# Altium PCB Fri3D_2018_01.PcbDoc (part 1 of 3)
Units mm, origin at the board's own origin, x right, y up, seen from the top; angles counter-clockwise.
Board outline 119.76 x 104.41 mm, 2 copper layers (Top Layer, Bottom Layer), stack 1.571 mm thick; 170 components, 102 nets, 573 pads, 233 vias.
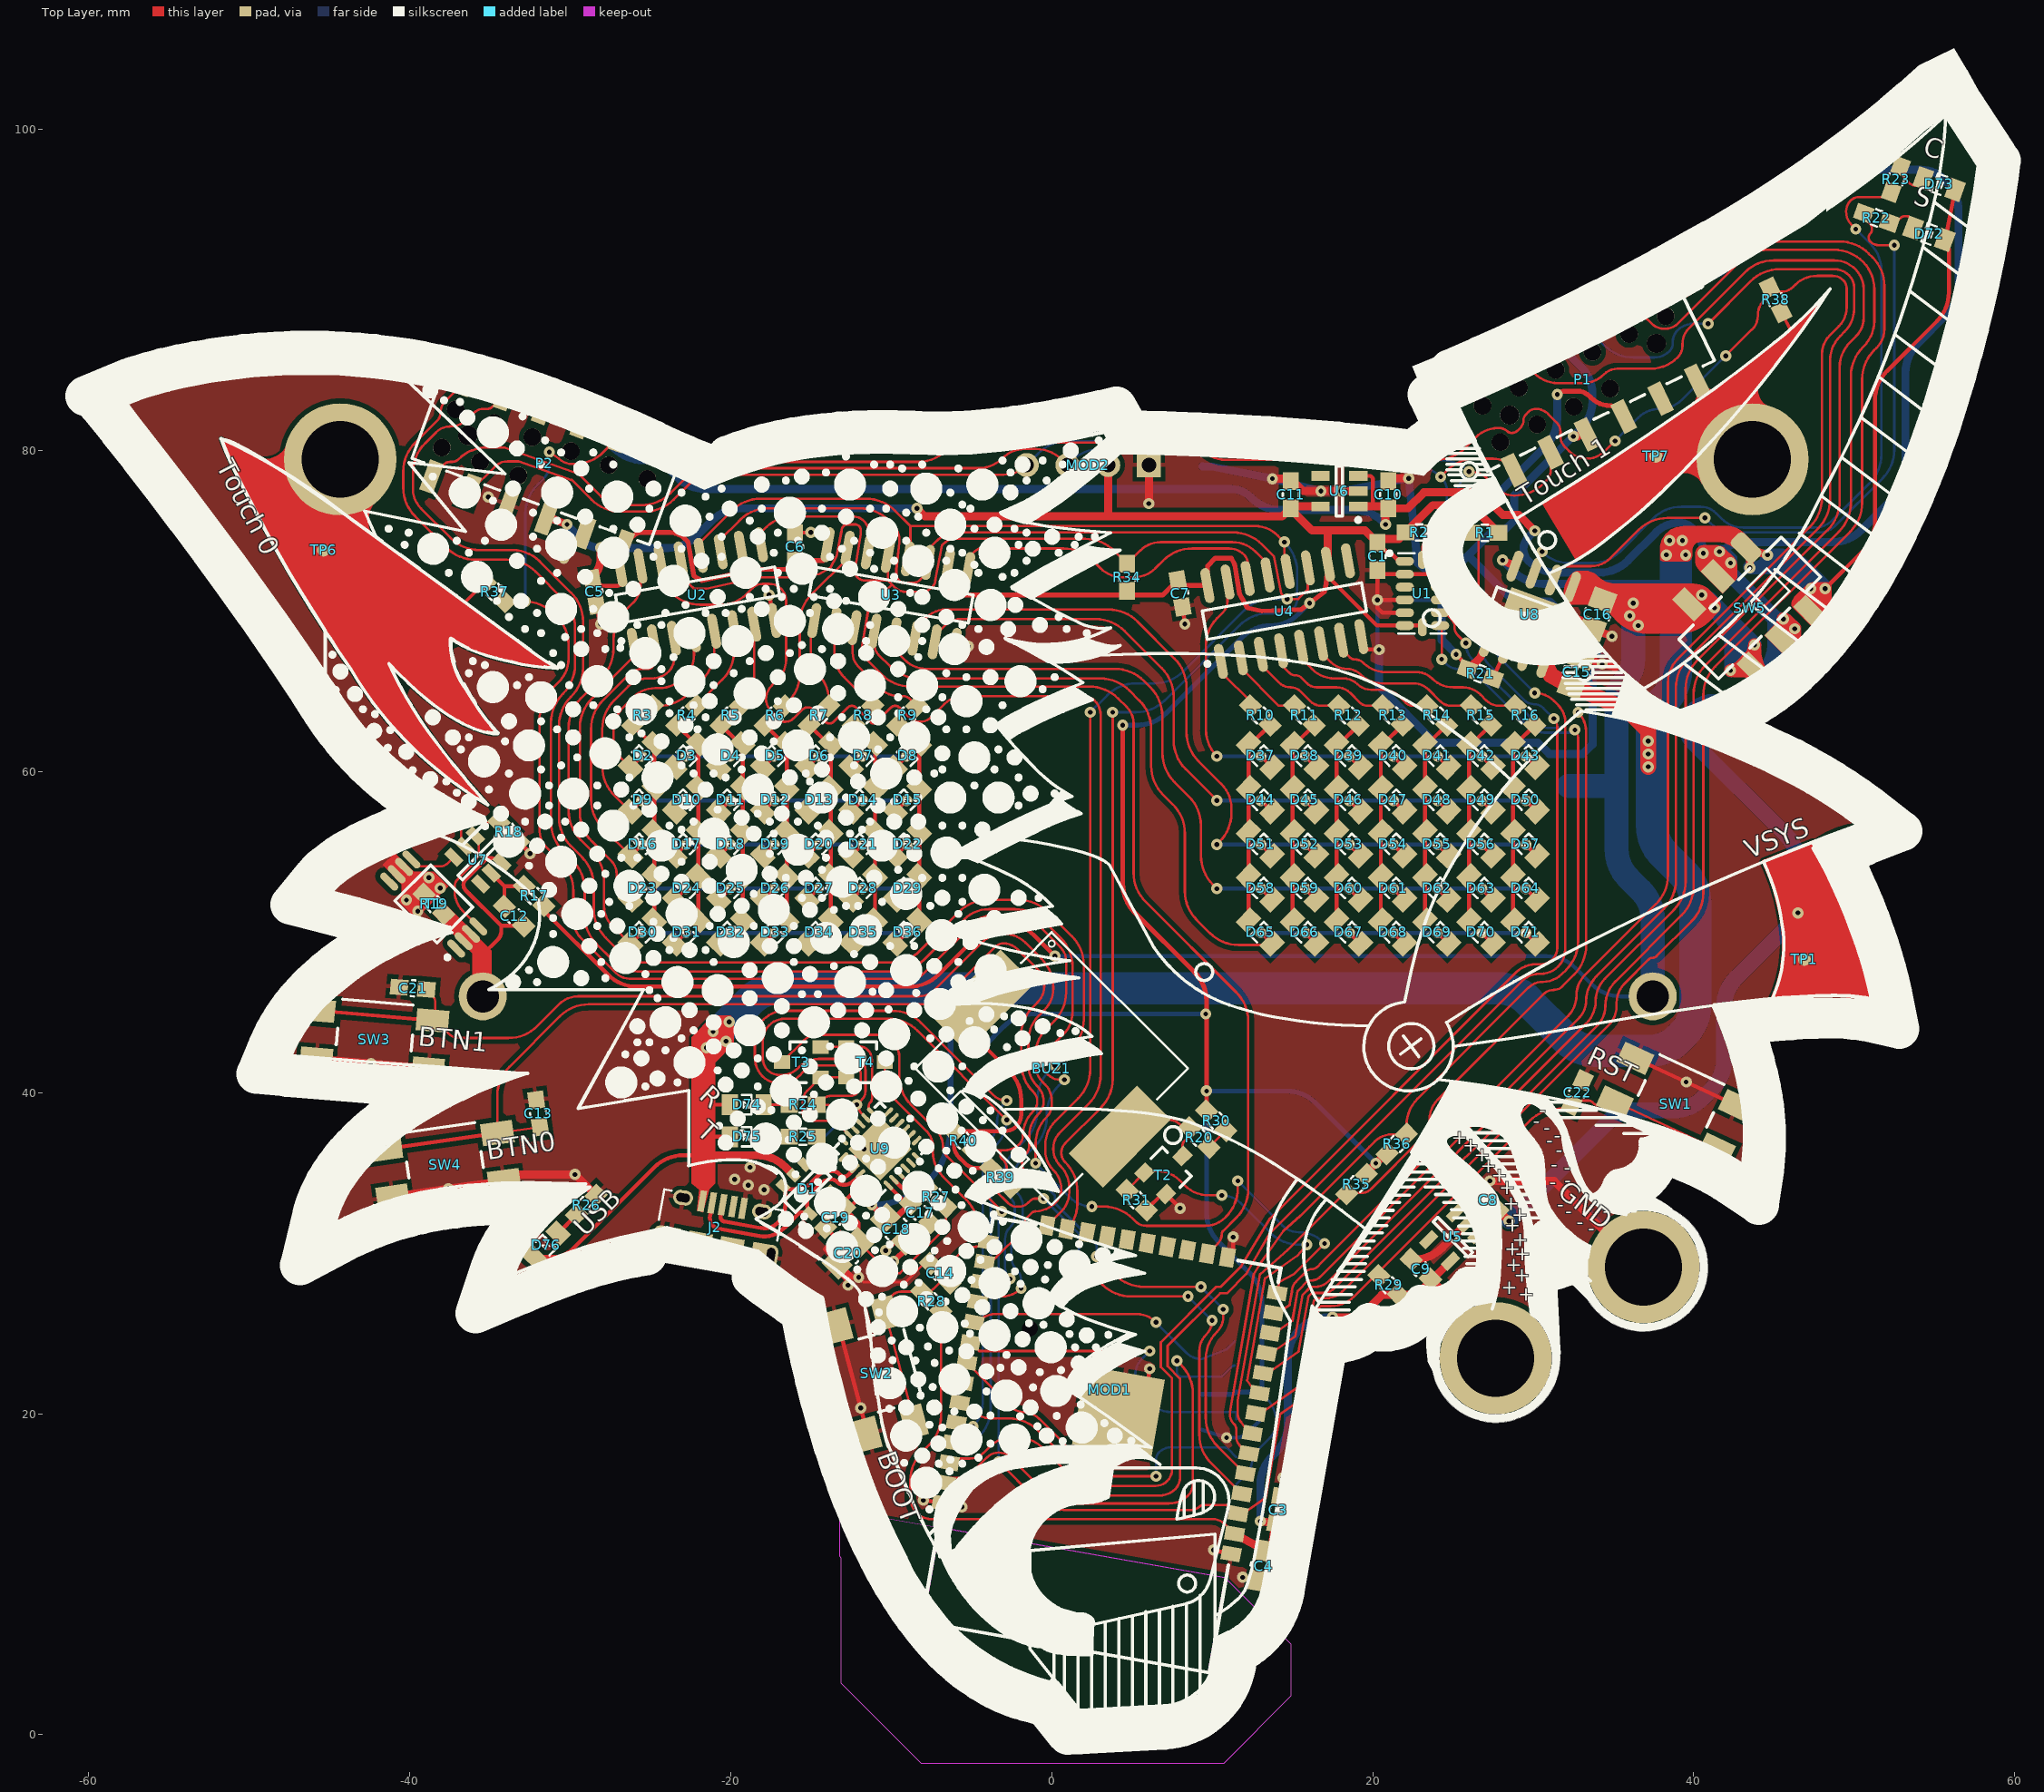
[diagram p0: Top Layer view]
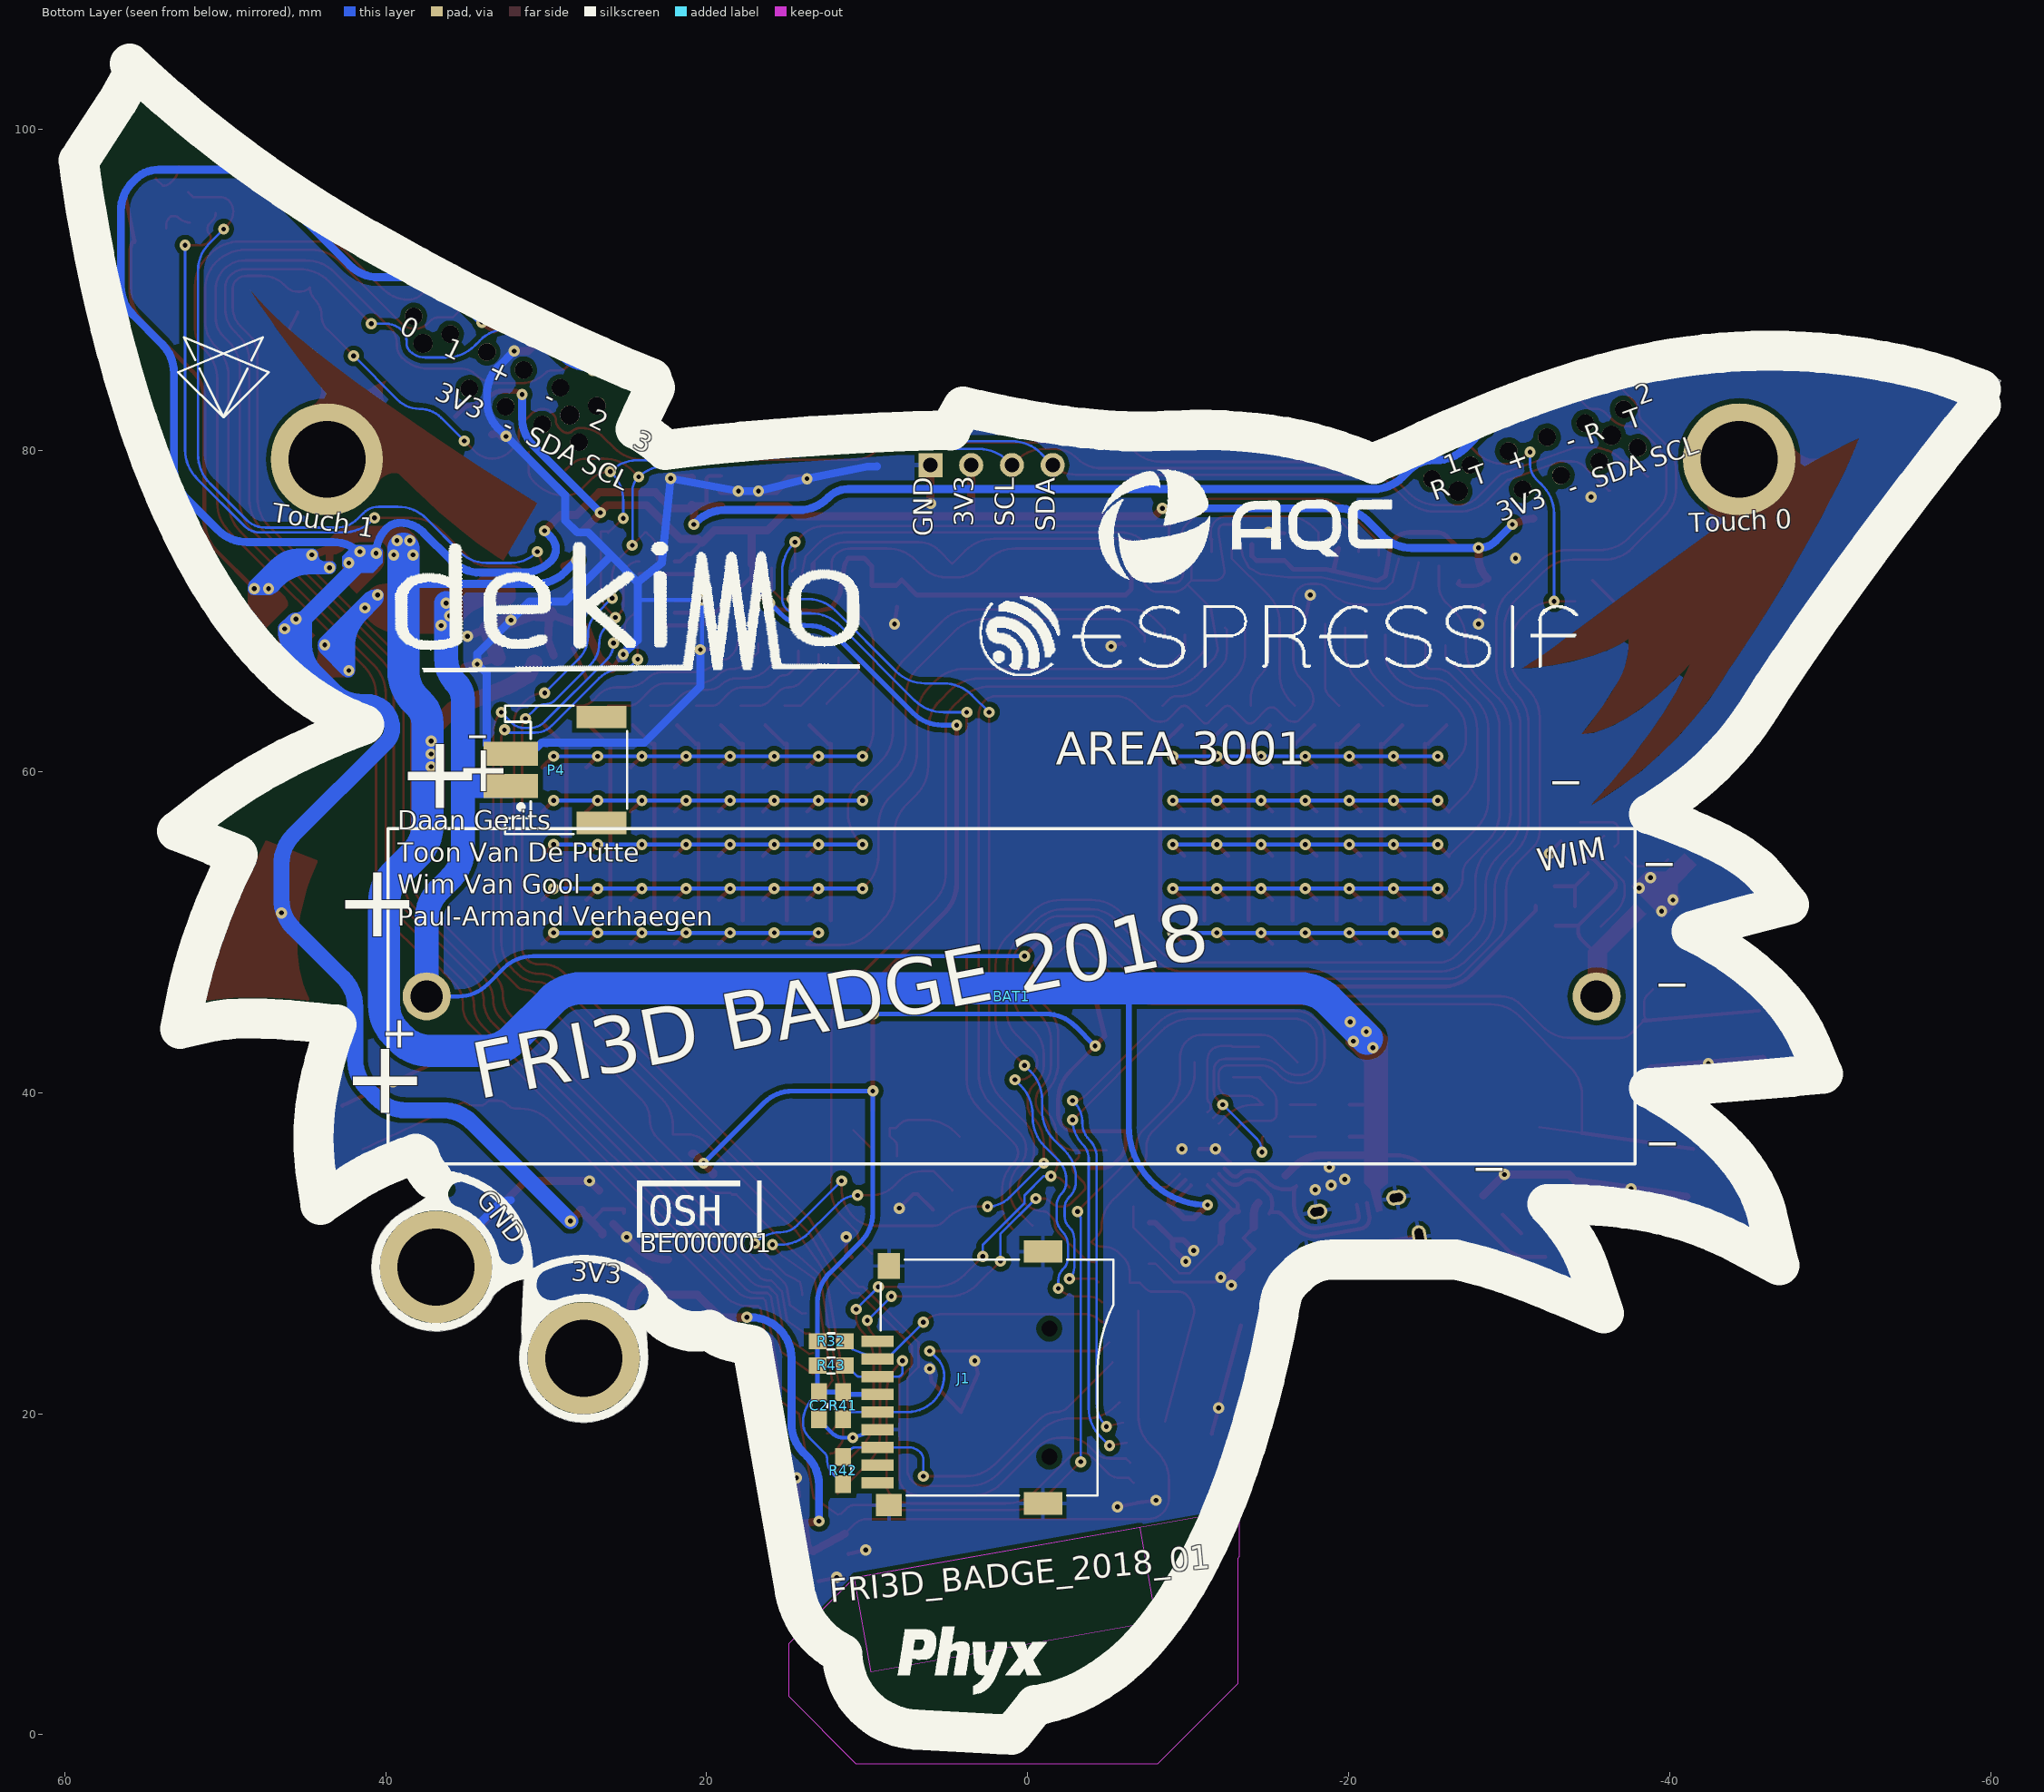
[diagram p1: Bottom Layer view, seen from below]
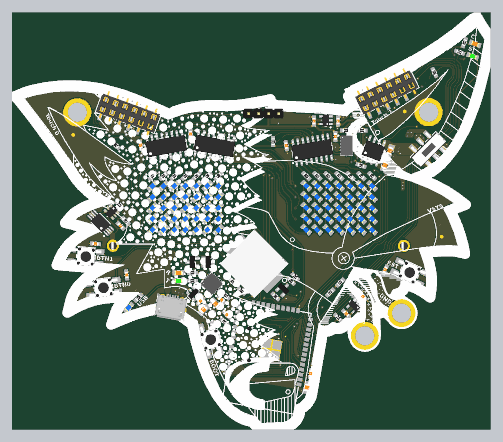
[diagram p4: 3D render of the assembled board from above, using the file's embedded part models]
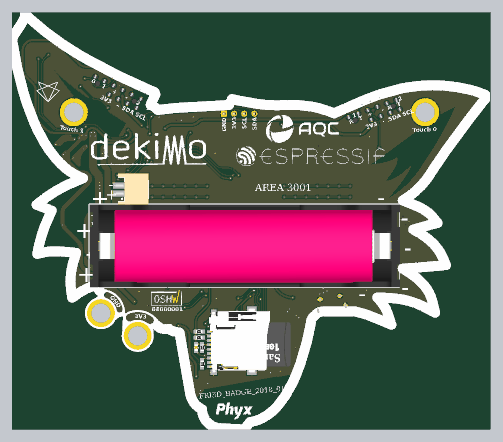
[diagram p5: 3D render of the assembled board from below, using the file's embedded part models]

## Layer stack, top to bottom
Top Solder: solder mask 0.0102, Solder Resist, Dk 3.5
Top Layer: signal copper 0.0356
Dielectric1: core 1.5, FR-4, Dk 4.8
Bottom Layer: signal copper 0.0356
Bottom Solder: solder mask 0.0102, Solder Resist, Dk 3.5

## Board outline
-46.831,29.242 -46.09,32.31 cw(c-37.879,30.259) -45.245,34.426 cw(c-35.655,28.996) -43.922,36.285 cw(c-32.683,26.397) -42.283,37.882 cw(c-28.52,21.283) -38.718,40.282 -42.413,40.551 -47.642,40.988 -49.547,41.164 -48.806,42.928 cw(c-38.813,38.732) -47.693,44.945 cw(c-37.267,37.644) -46.262,46.65 cw(c-33.581,33.622) -41.363,50.053 -42.065,50.268 ccw(c-68.525,-37.627) -45.314,51.182 -47.43,51.711 -46.055,53.404 cw(c-41.651,49.739) -45.241,54.204 cw(c-38.922,46.383) -44.107,54.998 cw(c-35.246,40.33) -42.646,55.786 cw(c-27.783,24.26) -38.718,57.354 cw(c-26.063,78.312) -40.36,58.438 cw(c-29.157,74.306) -45.455,63.739 -45.646,64.039 -45.838,64.346 -46.034,64.658 ccw(c-71.206,48.849) -46.443,65.291 ccw(c-187.813,-27.921) -49.584,69.889 ccw(c-258.509,-78.072) -55.372,77.741 ccw(c-233.349,-58.257) -58.153,81.305 -60.625,84.342 -60.622,84.371 -57.554,85.492 cw(c-53.642,74.927) -56.942,85.699 cw(c-48.986,60.151) -55.392,86.131 cw(c-46.302,48.761) -46.231,87.22 cw(c-46.212,49.113) -38.224,86.374 cw(c-49.77,34.512) -32.185,84.649 -21.2,80.4 ccw(c-19.634,83.425) -19.167,80.051 cw(c-11.91,57.715) -16.126,80.818 cw(c-10.716,48.802) -10.323,81.27 -9.789,81.266 -9.248,81.255 -8.697,81.239 -7.571,81.199 -6.76,81.199 ccw(c-6.868,108.571) -4.545,81.298 ccw(c-8.121,123.995) -2.29,81.547 ccw(c-11.696,148.768) 3.011,82.504 4.034,82.751 4.527,81.834 4.81,81.27 cw(c1.227,-102.711) 17.808,80.556 cw(c6.323,-47.009) 22.587,80.035 cw(c27.309,75.341) 24.422,81.34 ccw(c11.596,76.001) 24.231,81.776 ccw(c14.657,77.412) 24.069,82.116 24.069,82.152 22.641,85.167 22.639,85.166 24.81,86.056 ccw(c-38.33,233.876) 32.479,89.573 ccw(c-31.843,220.969) 39.839,93.439 ccw(c3.785,160.333) 54.721,103.94 55.221,104.411 55.224,104.408 56.767,101.658 58.848,98.483 59.131,98.06 59.06,97.566 cw(c20.599,102.184) 58.926,96.563 cw(c-29.151,109.44) 55.462,81.799 cw(c1.804,99.416) 52.764,75.073 cw(c19.564,90.906) 49.889,70.089 cw(c29.59,84.015) 46.98,66.591 cw(c36.007,77.281) 41.635,63.034 41.353,62.928 cw(c24.6,17.956) 45.329,61.239 cw(c31.721,32.207) 51.018,57.813 52.993,56.296 50.665,55.379 49.219,54.815 49.395,54.427 cw(c15.367,37.437) 51.587,49.043 cw(c24.515,40.037) 52.393,46.102 52.817,43.986 50.7,44.444 ccw(c49.377,37.778) 50.357,44.503 ccw(c49.034,35.445) 49.964,44.552 ccw(c48.765,32.828) 49.519,44.589 ccw(c48.509,28.478) 48.478,44.621 ccw(c48.507,19.122) 47.585,44.604 ccw(c48.897,8.101) 46.599,44.555 ccw(c49.833,-6.857) 45.519,44.476 ccw(c52.7,-39.834) 43.081,44.233 cw(c19.39,35.466) 44.175,40.345 cw(c28.691,37.148) 44.386,35.238 44.069,33.016 42.199,34.286 ccw(c36.213,25.434) 41.564,34.684 ccw(c34.673,22.779) 40.843,35.073 ccw(c32.952,19.355) 40.033,35.454 ccw(c30.015,12.539) 38.143,36.19 ccw(c38.592,35.303) 38.097,36.166 ccw(c41.169,30.861) 37.993,36.104 cw(c37.157,37.473) 37.896,36.049 cw(c34.843,36.849) 36.132,33.968 cw(c32.9,24.279) 37.524,33.387 ccw(c185.418,278.555) 38.574,32.756 cw(c36.873,29.136) 33.306,27.325 ccw(c30.701,25.031) 31.406,28.43 31.438,27.499 31.538,25.223 ccw(c44.434,24.699) 31.529,24.498 cw(c27.667,23.456) 23.667,23.499 ccw(c-1.62,25.675) 23.751,26.349 23.61,26.349 23.522,26.349 cw(c23.55,29.886) 23.429,26.351 cw(c23.502,28.497) 23.333,26.357 cw(c23.413,27.488) 23.152,26.384 cw(c20.716,28.109) 21.106,25.15 cw(c20.864,26.12) 21.021,25.133 cw(c20.827,26.355) 20.937,25.122 cw(c20.787,26.819) 20.852,25.117 cw(c20.711,29.349) 20.683,25.115 cw(c20.687,28.593) 19.836,25.22 cw(c17.875,27.345) 19.237,24.795 cw(c17.647,27.824) 18.178,24.444 cw(c17.998,24.999) 18.111,24.427 cw(c17.596,27.206) 17.965,24.404 ccw(c18.071,23.567) 17.825,24.374 17.698,24.353 17.571,24.332 17.444,24.31 17.19,24.268 14.51,8.924 cw(c9.211,9.899) 11.547,5.044 cw(c6.734,5.124) 6.996,0.317 1.741,0.035 1,0 0.541,0.564 -0.481,1.834 cw(c1.013,11.647) -3.465,2.789 cw(c2.677,14.564) -7.501,6.032 cw(c8.843,20.13) -9.406,8.603 cw(c19.038,26.436) -11.945,13.51 cw(c33.759,32.76) -13.147,16.656 cw(c51.424,38.541) -15.649,26.314 -16.2,27.9 -17.329,28.21 -25.109,29.582 -26.654,29.594 ccw(c-21.186,4.406) -28.917,28.994 ccw(c-18.949,-2.851) -30.167,28.576 ccw(c-13.061,-18.983) -33.039,27.443 -35.896,26.243 -34.908,29.206 cw(c-28.079,26.847) -34.6,29.958 cw(c-26.431,26.065) -34.187,30.727 cw(c-23.207,24.009) -32.369,33.051 -33.039,33.051 ccw(c-33.115,1.293) -37.177,32.79 ccw(c-34.848,12.614) -44.044,30.723

## Design rules (kind name [scope] priority, off if disabled: settings)
BoardOutlineClearance BoardOutlineClearance_USB [HasFootprint('MLX_0476420001')] p1: gap=0.3 ignorepadtopadclearanceinfootprint=FALSE except(0: Arc-SplitContinuation Track-SplitContinuation SMDPad-SplitContinuation THPad-SplitContinuation Via-SplitContinuation Fill-SplitContinuation Poly-SplitContinuation Region-SplitContinuation Text-SplitContinuation)
BoardOutlineClearance BoardOutlineClearance_SILK [OnLayer('Bottom Overlay') OR OnLayer('Top Overlay')] p2: gap=0 ignorepadtopadclearanceinfootprint=FALSE
BoardOutlineClearance [NOT IsText] p3: gap=0.5 ignorepadtopadclearanceinfootprint=FALSE except(0: Arc-SplitContinuation Track-SplitContinuation SMDPad-SplitContinuation THPad-SplitContinuation Via-SplitContinuation Fill-SplitContinuation Poly-SplitContinuation Region-SplitContinuation Text-SplitContinuation; 0.4: SMDPad-OutlineEdge THPad-OutlineEdge)
Clearance Clearance_GND_POLY [InNamedPolygon('B_GND')] p1: gap=0.4 ignorepadtopadclearanceinfootprint=FALSE except(0: Arc-Hole Track-Hole SMDPad-Hole THPad-Hole Via-Hole Fill-Hole Poly-Hole Region-Hole Text-Hole)
Clearance [All] p2: gap=0.15 ignorepadtopadclearanceinfootprint=FALSE except(0: Arc-Hole Track-Hole SMDPad-Hole THPad-Hole Via-Hole Fill-Hole Poly-Hole Region-Hole Text-Hole; 0.3: Arc-Poly Track-Poly SMDPad-Poly THPad-Poly Via-Poly Fill-Poly; 1.1: Poly-Poly)
DiffPairsRouting [All] p1: maxlimit=0.254 minlimit=0.254 mostfreqgap=0.254 toplayer_minwidth=0.25 toplayer_maxwidth=0.381 toplayer_prefwidth=0.381 bottomlayer_minwidth=0.25 bottomlayer_maxwidth=0.381 bottomlayer_prefwidth=0.381 maxuncoupledlength=12.7
HoleSize [All] p1: absolutevalues=TRUE maxlimit=10 minlimit=0.025 maxpercent=80.000 minpercent=20.000
PolygonConnect PolygonConnect_VIA [IsVia] p1: connectstyle=Direct reliefconductorwidth=0.254 reliefentries=4 polygonreliefangle="90 Angle" airgapwidth=0.254
PolygonConnect [All] p2: connectstyle=Relief reliefconductorwidth=0.254 reliefentries=4 polygonreliefangle="90 Angle" airgapwidth=0.254
RoutingVias [All] p1: holewidth=0.3 width=0.7 viastyle="Through Hole" minholewidth=0.3 minwidth=0.2 maxholewidth=0.6 maxwidth=1.2
SilkToSolderMaskClearance SilkscreenOverComponentPads [IsPad] p1: minsilkscreentomaskgap=0.254 clearancetoexposedcopper=TRUE
SolderMaskExpansion [All] p1: expansion=0.05
Width [All] p1: maxlimit=2 minlimit=0.15 preferedwidth=0.25
27 further rules are at their usual default settings.

## Classes and differential pairs
net class TOUCH.[0..1]: TOUCH.0 TOUCH.1
net class BTN.[0..1]: BTN.0 BTN.1 BTN.2 BTN.3
net class ACC.INT[1..2]: ACC.INT1 ACC.INT2
component class Power: BAT1 C8 C9 C10 C11 C12 C15 C16 D72 D73 P4 R17 R18 R19 R21 R22 R23 SW5 T1 U5 U6 U7 U8
component class Eyes: C5 C6 C7 D2 D3 D4 D5 D6 D7 D8 D9 D10 D11 D12 D13 D14 D15 D16 D17 D18 D19 D20 D21 D22 D23 D24 D25 D26 D27 D28 D29 D30 D31 D32 D33 D34 D35 D36 D37 D38 D39 D40 D41 D42 D43 D44 D45 D46 D47 D48 D49 D50 D51 D52 D53 D54 D55 D56 D57 D58 D59 D60 D61 D62 D63 D64 D65 D66 D67 D68 D69 D70 D71 R3 R4 R5 R6 R7 R8 R9 R10 R11 R12 R13 R14 R15 R16 R34 U2 U3 U4
component class Controller: C3 C4 C17 C18 C19 C20 D74 D75 D76 MOD1 R1 R2 R24 R25 R26 R27 R28 R29 R35 R36 R37 R38 R39 R40 T3 T4 U9
net class POWER: 3V3_AUX 3V3_ESP 3V3_Pi 3V3_USB 5V_Pi GBAT GND VBAT VSYS VUSB
component class Fri3D_2018_01: BUZ1 C1 C2 C13 C14 C21 C22 D1 J1 J2 MOD2 P1 P2 R20 R30 R31 R32 R41 R42 R43 SW1 SW2 SW3 SW4 T2 TP1 TP6 TP7 U1
net class 90r: USB.D_n USB.D_p
net class PWM.[0..3]: PWM.0 PWM.1 PWM.2 PWM.3
differential pair USB.D: +USB.D_p -USB.D_n

## Components (designator, comment, footprint, x,y, rotation, side; value= is the part's Value field where it differs from the comment)
BAT1 "18650 Battery holder" MPD_BH-18650-PC 1,46 r0 bottom locked value=BH-18650-PC
BUZ1 "12x12x3mm Piezo Buzzer Transducer 81dB" CUI_CMT-1203-SMT 0,41.5 r315 top locked value=CMT-1203-SMT
C1 "" C0603_N 20.3,73.4 r270 top value="100nF 16V"
C2 "" C0603_N 13,20.5 r270 bottom value="100nF 16V"
C3 "" C0603_N 14.1,14 r80 top value="100nF 16V"
C4 "CAP_CERAMIC" C0805_N 13.2,10.5 r260 top value="10uF 10V"
C5 "" C0603_N -28.5,71.2 r280 top value="100nF 16V"
C6 "" C0603_N -16,74 r90 top value="100nF 16V"
C7 "" C0603_N 8,71.1 r280 top value="100nF 16V"
C8 "CAP_CERAMIC" C0603_N 27.2,33.3 r135 top value="1uF 16V"
C9 "CAP_CERAMIC" C0603_N 23,29 r135 top value="1uF 16V"
C10 "CAP_CERAMIC" C0603_N 20.975,77.25 r90 top value="1uF 16V"
C11 "CAP_CERAMIC" C0603_N 14.9,77.25 r90 top value="1uF 16V"
C12 "" C0603_N -33.5,51 r315 top value="100nF 16V"
C13 "" C0603_N -32,38.7 r98 top value="100nF 16V"
C14 "" C0603_N -6.952,28.75 r135 top value="100nF 16V"
C15 "CAP_CERAMIC" C0805_N 32.7,66.2 r70 top value="10uF 10V"
C16 "CAP_CERAMIC" C0805_N 34,69.8 r250 top value="10uF 10V"
C17 "" C0603_N -8.194,32.5 r315 top value="100nF 16V"
C18 "CAP_CERAMIC" C0805_N -9.694,31.5 r135 top value="10uF 10V"
C19 "" C0603_N -13.494,32.2 r225 top value="100nF 16V"
C20 "CAP_CERAMIC" C0805_N -12.694,30 r45 top value="10uF 10V"
C21 "" C0603_N -39.8,46.5 r175 top value="100nF 16V"
C22 "" C0603_N 32.75,40 r65 top value="100nF 16V"
D1 "TVS Diode Dual USB" NXP_SOT457 -15.225,34 r135 top value=IP4220CZ6
D2 "Default 0805 Blue LED" LED_0805_BL -25.5,61 r45 top
D3 "Default 0805 Blue LED" LED_0805_BL -22.75,61 r45 top
D4 "Default 0805 Blue LED" LED_0805_BL -20,61 r45 top
D5 "Default 0805 Blue LED" LED_0805_BL -17.25,61 r45 top
D6 "Default 0805 Blue LED" LED_0805_BL -14.5,61 r45 top
D7 "Default 0805 Blue LED" LED_0805_BL -11.75,61 r45 top
D8 "Default 0805 Blue LED" LED_0805_BL -9,61 r45 top
D9 "Default 0805 Blue LED" LED_0805_BL -25.5,58.25 r45 top
D10 "Default 0805 Blue LED" LED_0805_BL -22.75,58.25 r45 top
D11 "Default 0805 Blue LED" LED_0805_BL -20,58.25 r45 top
D12 "Default 0805 Blue LED" LED_0805_BL -17.25,58.25 r45 top
D13 "Default 0805 Blue LED" LED_0805_BL -14.5,58.25 r45 top
D14 "Default 0805 Blue LED" LED_0805_BL -11.75,58.25 r45 top
D15 "Default 0805 Blue LED" LED_0805_BL -9,58.25 r45 top
D16 "Default 0805 Blue LED" LED_0805_BL -25.5,55.5 r45 top
D17 "Default 0805 Blue LED" LED_0805_BL -22.75,55.5 r45 top
D18 "Default 0805 Blue LED" LED_0805_BL -20,55.5 r45 top
D19 "Default 0805 Blue LED" LED_0805_BL -17.25,55.5 r45 top
D20 "Default 0805 Blue LED" LED_0805_BL -14.5,55.5 r45 top
D21 "Default 0805 Blue LED" LED_0805_BL -11.75,55.5 r45 top
D22 "Default 0805 Blue LED" LED_0805_BL -9,55.5 r45 top
D23 "Default 0805 Blue LED" LED_0805_BL -25.5,52.75 r45 top
D24 "Default 0805 Blue LED" LED_0805_BL -22.75,52.75 r45 top
D25 "Default 0805 Blue LED" LED_0805_BL -20,52.75 r45 top
D26 "Default 0805 Blue LED" LED_0805_BL -17.25,52.75 r45 top
D27 "Default 0805 Blue LED" LED_0805_BL -14.5,52.75 r45 top
D28 "Default 0805 Blue LED" LED_0805_BL -11.75,52.75 r45 top
D29 "Default 0805 Blue LED" LED_0805_BL -9,52.75 r45 top
D30 "Default 0805 Blue LED" LED_0805_BL -25.5,50 r45 top
D31 "Default 0805 Blue LED" LED_0805_BL -22.75,50 r45 top
D32 "Default 0805 Blue LED" LED_0805_BL -20,50 r45 top
D33 "Default 0805 Blue LED" LED_0805_BL -17.25,50 r45 top
D34 "Default 0805 Blue LED" LED_0805_BL -14.5,50 r45 top
D35 "Default 0805 Blue LED" LED_0805_BL -11.75,50 r45 top
D36 "Default 0805 Blue LED" LED_0805_BL -9,50 r45 top
D37 "Default 0805 Blue LED" LED_0805_BL 13,61 r135 top
D38 "Default 0805 Blue LED" LED_0805_BL 15.75,61 r135 top
D39 "Default 0805 Blue LED" LED_0805_BL 18.5,61 r135 top
D40 "Default 0805 Blue LED" LED_0805_BL 21.25,61 r135 top
D41 "Default 0805 Blue LED" LED_0805_BL 24,61 r135 top
D42 "Default 0805 Blue LED" LED_0805_BL 26.75,61 r135 top
D43 "Default 0805 Blue LED" LED_0805_BL 29.5,61 r135 top
D44 "Default 0805 Blue LED" LED_0805_BL 13,58.25 r135 top
D45 "Default 0805 Blue LED" LED_0805_BL 15.75,58.25 r135 top
D46 "Default 0805 Blue LED" LED_0805_BL 18.5,58.25 r135 top